# KiCad board v1b.kicad_pcb (continued)
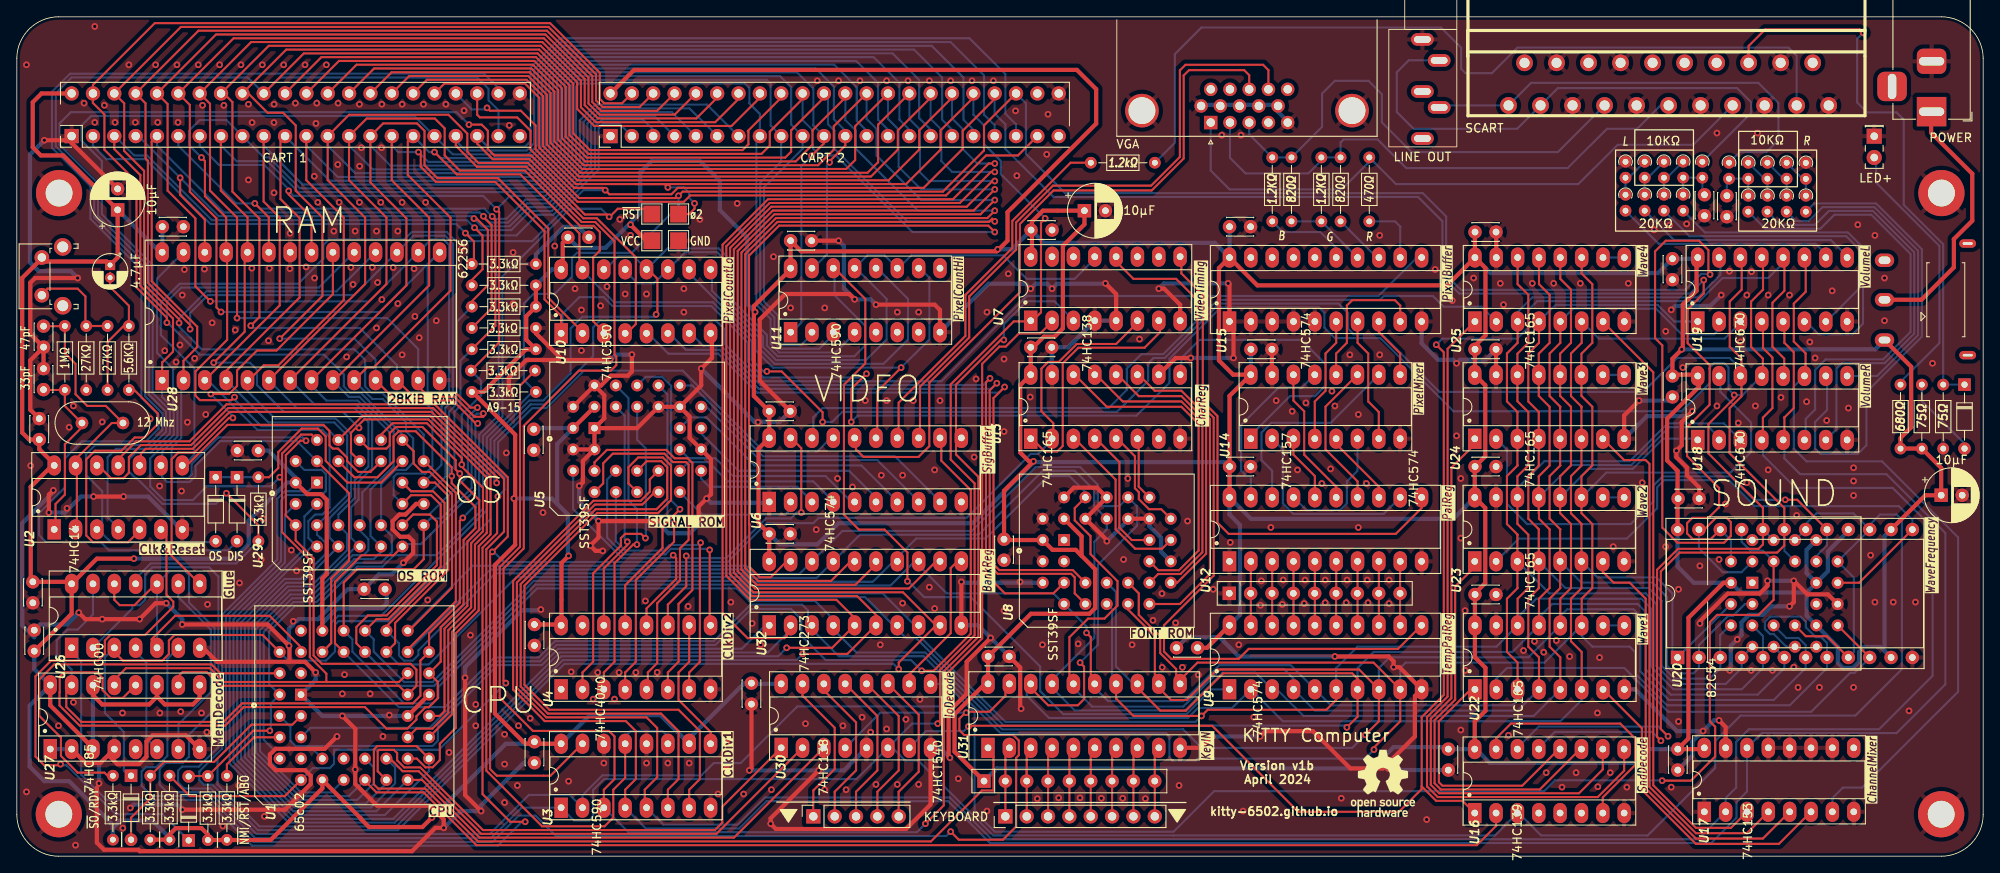
[diagram p0: board, top side]
## Routing (per net, layer and track width the routed paths; a pad name or vN(x,y) marks a point on that pad's centre or on a via; arc(x,y) is an arc through that point) (continued)
/Audio/R1: length 39.6
  Bottom w0.25: 212.26,75.66 211.73,75.66 R29.2 ; 217.81,57.21 221.38,57.21 226.25,62.08 226.25,72.13 221.06,77.32 214.89,77.32 213.23,75.66 212.12,75.66
/Audio/R2: length 50.3
  Bottom w0.25: R30.2 209.9,75.21 214,75.21 214,75.23 215.64,76.87 220.87,76.87 225.8,71.94 225.8,62.27 222.27,58.74 217.19,58.74 216.54,58.08 216.54,50.86 215.42,49.74
/Audio/R3: length 53.9
  Bottom w0.25: 212.88,49.74 212.88,52.09 214,53.22 214,57.93 215.25,59.19 222.08,59.19 225.35,62.45 225.35,71.75 220.68,76.42 216.29,76.42 214.63,74.76 208.06,74.76 R31.2
/Audio/Sout: length 88.7
  Top w0.25: 212.88,71.32 212.88,67.25 211.46,65.83 211.46,61.32 212.89,59.89 212.86,59.86 212.86,57.35
  Bottom w0.25: 212.88,57.36 211.46,55.94 211.46,48.56 212.98,47.04 221.96,47.04 231.02,37.98 231.02,19.6 219.59,8.17 217.3,8.17 216.05,6.93 U17.7
/Audio/wave 1: length 29.6
  Top w0.25: 173.53,19.88 U22.1 173.03,19.88 169.23,16.08 169.23,8.81 169.64,8.4 179.14,8.4 183.65,12.91
/Audio/wave 2: length 48.3
  Top w0.25: 186.19,12.91 181.23,7.95 169.46,7.95 168.71,8.69 168.71,16.2 171.16,18.65 171.16,32.14 173.49,34.47 U23.1
/Audio/wave 3: length 68
  Top w0.25: U24.1 173.49,49.07 170.71,46.29 170.71,18.84 168.26,16.39 168.26,8.51 169.27,7.5 185.9,7.5 188.76,10.36 188.73,10.38 188.73,12.91
/Audio/wave 4: length 85.8
  Top w0.25: 191.27,12.91 191.27,10.19 188.13,7.05 169.08,7.05 167.81,8.32 167.81,16.57 170.26,19.02 170.26,60.44 U25.1
/IO/BANK: length 17
  Top w0.25: U30.10 106.2,21.63 111.13,26.56 111.13,34.33 111.93,35.12
/IO/KeyIN 0: length 18
  Top w0.25: U30.15 93.5,19.13 97.33,15.3 97.33,10.38 94.79,7.84 94.79,7.05 94.78,7.04 94.78,5.15 94.79,5.14
/IO/KeyIN 1: length 18
  Top w0.25: U30.14 96.04,19.77 99.87,15.94 99.87,10.22 97.33,7.68 97.33,5.14
/IO/KeyIN 2: length 18
  Top w0.25: U30.13 102.41,16.7 102.41,10.22 99.87,7.68 99.87,5.14
/IO/KeyIN 3: length 18
  Top w0.25: 102.41,5.14 102.41,7.68 104.95,10.22 104.95,16.7 U30.12
/IO/KeyIN 4: length 17.9
  Top w0.25: U30.11 107.32,16.86 107.32,10.06 104.94,7.67 104.94,5.15 104.95,5.14
/IO/KeyOUT 0: length 7.8
  Top w0.25: 135.42,12.91 135.42,12.91 RN2.9 135.42,5.14
/IO/KeyOUT 1: length 7.8
  Top w0.25: 132.88,5.14 RN2.8 132.88,8.96 132.88,12.91
/IO/KeyOUT 2: length 7.8
  Top w0.25: 130.34,12.91 130.34,12.91 RN2.7 130.34,5.14
/IO/KeyOUT 3: length 7.8
  Top w0.25: 127.8,5.14 RN2.6 127.8,8.96 127.8,12.91
/IO/KeyOUT 4: length 7.8
  Top w0.25: 125.26,12.91 125.26,8.96 RN2.5 125.26,5.14
/IO/KeyOUT 5: length 7.8
  Top w0.25: 122.72,12.91 122.72,12.91 RN2.4 122.72,5.14
/IO/KeyOUT 6: length 9
  Top w0.25: 120.18,10.22 120.18,10.22 120.18,5.14 ; 120.18,10.22 120.18,8.96 RN2.3 ; 120.18,10.22 120.18,12.91
/IO/KeyOUT 7: length 7.8
  Top w0.25: 117.64,12.91 117.64,8.96 RN2.2 117.64,5.14
/Video/bit 0: length 10.1
  Bottom w0.25: U15.15 157.01,72.46 155.11,74.36 150.67,74.36 R14.1
/Video/bit 1: length 9.6
  Bottom w0.25: U15.14 R16.1 R15.1
/Video/bit 2: length 6.3
  Bottom w0.25: U15.13 161.83,71.32 R17.1
/Video/bit 3: length 7.6
  Bottom w0.25: R18.1 164,75.63 164.64,74.99 164.63,74.98 U15.12
/Video/Pa0: length 23.6
  Bottom w0.25: U14.2 150.66,48.46 150.66,42.02 151.91,40.77 162.65,40.77 U12.12
/Video/Pa1: length 9.1
  Top w0.25: U14.5 157,49.11 162.09,44.02 U12.13
/Video/Pa2: length 17.8
  Top w0.25: U12.14 159.55,44.65 155.74,48.46 155.74,53.56 U14.11
/Video/Pa3: length 16.7
  Top w0.25: U12.15 157.01,44.02 153.2,47.83 153.2,53 151.92,54.28 U14.14
/Video/Pb0: length 8.1
  Top w0.25: U12.16 154.47,45.28 151.92,47.83 U14.3
/Video/Pb1: length 15.6
  Bottom w0.25: U12.17 153.45,41.22 157.47,41.22 158.28,42.02 158.28,44.65 159.54,45.91 U14.6
/Video/Pb2: length 25.1
  Bottom w0.25: U12.18 149.39,45.92 148.12,47.19 148.12,50.47 149.28,51.64 156.35,51.64 U14.10
/Video/Pb3: length 20.6
  Bottom w0.25: U12.19 146.85,45.29 146.35,45.29 145.69,45.95 145.69,51.37 150.16,55.83 152.93,55.83 U14.13
/Video/Y0: length 79.2
  Top w0.25: v1(117.55,55.9) 116.22,54.57 116.22,34.78 116.91,34.09 125.66,34.09 127.16,32.58
  Bottom w0.25: v1(117.55,55.9) 116.88,55.23 88.1,55.23 83.47,59.87 77.53,59.87 75.1,62.29
/Video/Y1: length 78.7
  Top w0.25: 127.16,30.05 125.89,31.31 125.89,33.22 125.47,33.64 116.73,33.64 115.78,34.59 115.78,55.5 v1(116.62,56.35)
  Bottom w0.25: 77.51,62.43 79.62,60.32 83.65,60.32 88.29,55.68 115.95,55.68 v1(116.62,56.35)
/Video/Y2: length 73
  Top w0.25: 124.62,32.58 123.35,31.31 117.58,31.31 115.32,33.57 115.32,56.45 v1(115.81,56.93)
  Bottom w0.25: 80.05,62.43 81.71,60.77 83.84,60.77 88.48,56.13 115.01,56.13 v1(115.81,56.93)
A0: length 473.3
  Top w0.25: v1(95.89,51.73) 95.89,52.88 91.01,57.76 v1(89.26,57.76) ; J5.33 46.53,85.15 46.53,81.16 51.61,76.08 51.61,67.37 42.47,58.23 41.68,58.23 U28.10 ; 67.48,69.91 66.95,70.44 66.95,74.19 59.91,81.23 52.36,81.23 v1(49.7,83.88) ; v1(196.5,14.29) 195.64,15.15 195.64,33.93 197.87,36.17 209.48,36.17 210.33,37.02 210.33,41.49 203.83,48 203.83,53.37 205.24,54.78 205.24,59.23 205.27,59.25 203.84,60.68 203.84,66.08 205.26,67.5 205.26,71.32
  Bottom w0.25: J5.33 49.07,83.88 v1(49.7,83.88) 50.42,83.17 61.06,83.17 62.47,84.58 62.47,93.37 65.2,96.09 106.78,96.09 110.11,92.76 110.11,87.73 111.29,86.56 ; U28.10 40.15,56.62 42.3,54.47 43.55,54.47 46.31,51.71 46.31,50.63 47.16,49.78 47.16,46.87 46.31,46.02 45.06,46.02 43.35,44.31 43.35,39.44 U29.12 44.62,38.15 44.62,36.23 43.35,34.96 40.34,34.96 35.66,30.28 32.93,30.28 29.38,26.73 29.38,13.87 30.58,12.67 35.32,12.67 U1.10 ; U21.22 210.35,36.37 210.35,37.03 210.33,37.05 210.33,38.92 ; 205.26,57.36 205.26,57.94 203.84,59.36 197.57,59.36 193.53,55.31 169.3,55.31 162.43,62.17 159.08,62.17 158.42,62.83 158.42,64.7 157.28,65.84 143.1,65.84 136.62,59.36 135.26,59.36 134.62,58.72 134.62,56.64 130.92,52.94 98.23,52.94 97.03,51.73 v1(95.89,51.73) ; v1(196.5,14.29) 195.35,15.44 181.1,15.44 178.57,12.91 ; 67.48,69.91 67.48,69.59 71.08,65.99 82.83,65.99 87.46,61.36 87.46,59.15 88.85,57.76 v1(89.26,57.76)
A1: length 492.7
  Top w0.25: J5.31 44.62,84.66 44.61,84.66 44.61,80.53 49.07,76.08 49.07,68.01 37.77,56.71 U28.9 ; v1(101.11,57.48) 99.3,55.67 v1(99.3,51.73) ; v1(204.37,54.94) 204.37,54.55 201.3,51.48 201.3,47.98 207.79,41.49 207.79,37.15 207.27,36.62 197.69,36.62 195.19,34.12 195.19,14.22 v1(195.65,13.76) ; v1(47.79,83.88) 48.07,83.61 48.07,82.13 49.86,80.33 56.94,80.33 62.79,74.48 62.79,66.35 64.78,64.36 U10.1 64.94,62.29 ; 207.78,57.35 207.78,59.28 206.38,60.68 206.38,66.08 207.81,67.51 207.8,67.52 207.8,71.32
  Bottom w0.25: 44.69,84.58 44.62,84.65 J5.31 ; 44.69,84.58 44.61,84.66 ; 44.69,84.58 45.39,83.88 v1(47.79,83.88) 48.96,82.72 61.24,82.72 62.92,84.4 62.92,93.18 65.39,95.64 104.21,95.64 107.38,92.47 107.38,87.92 108.75,86.56 ; 64.94,62.29 64.94,64.6 66.93,66.59 69.84,66.59 70.89,65.54 82.64,65.54 87.01,61.18 87.01,58.87 88.85,57.03 100.66,57.03 v1(101.11,57.48) ; U28.9 37.61,56.62 39.5,54.73 40.75,54.73 44.85,50.64 44.85,46.44 42.08,43.67 42.08,38.16 42.29,37.95 42.29,37.95 U29.11 43.34,36.25 42.5,35.41 40.15,35.41 35.47,30.73 32.74,30.73 28.93,26.92 28.93,12.51 33.84,7.6 37.41,7.6 U1.11 ; 181.11,12.91 183.01,14.81 194.6,14.81 v1(195.65,13.76) ; 207.8,57.36 207.79,57.36 205.37,54.94 v1(204.37,54.94) 203.69,55.62 203.69,58.23 203.19,58.74 201.95,58.74 201.44,58.23 201.44,56.33 198.12,53 170.96,53 162.24,61.72 156.85,61.72 155.59,62.98 155.59,64.74 154.94,65.39 143.29,65.39 137.16,59.27 137.16,56.41 133.24,52.49 100.05,52.49 v1(99.3,51.73) ; U21.23 207.8,38.92 207.79,38.92
A2: length 378.7
  Top w0.25: 176.03,5.29 176.03,3.61 173.74,1.32 54.69,1.32 48.41,7.6 42.8,7.6 41.44,8.96 U1.13 ; 67.48,62.29 63.24,66.53 63.24,74.79 57.25,80.78 50.05,80.78 48.52,82.31 48.52,86.41 47.63,87.3 43.59,87.3 42.07,85.78 42.07,80.28 46.36,75.99 46.36,68 35.07,56.71
  Bottom w0.25: 106.21,86.56 105.03,87.73 105.03,92.12 101.96,95.19 65.57,95.19 63.37,92.99 63.37,84.21 61.43,82.27 44.46,82.27 42.07,84.66 42.07,85.78 J5.29 ; U1.13 39.5,7.15 33.65,7.15 28.48,12.32 28.48,27.1 32.56,31.18 35.29,31.18 39.97,35.86 41.23,35.86 41.84,36.46 41.84,37.77 40.8,38.8 U29.10 41.12,39.75 41.12,43.34 44.4,46.62 44.4,50.45 40.57,54.28 36.86,54.28 35.07,56.06 35.07,56.71
A3: length 250.8
  Top w0.25: U28.7 43.99,68.17 43.99,76.08 39.53,80.53 39.53,85.78 41.63,87.88 49.75,87.88 50.91,86.71 50.91,83.48 52.72,81.68 60.46,81.68 67.04,75.1 68.65,75.1 69.39,74.36 69.39,72.15 68.58,71.34 68.58,63.73 70.02,62.29
  Bottom w0.25: 103.67,86.56 102.49,87.73 102.49,92.12 99.87,94.74 65.76,94.74 63.82,92.81 63.82,84.02 61.62,81.82 42.37,81.82 39.53,84.66 39.54,84.66 J5.27 ; U28.7 35.42,53.83 40.39,53.83 42.29,51.92 42.29,46.23 40.67,44.61 40.67,42.47 39.77,41.57 39.77,37.93 U29.9 40.36,36.89 35.15,31.68 32.42,31.68 28.03,27.29 28.03,12.14 33.47,6.7 40.52,6.7 42.47,8.66 42.47,10.59 U1.14
A4: length 318.5
  Top w0.25: 72.56,62.29 73.67,63.39 73.67,71.35 69.02,76 67.41,76 60.83,82.58 54.94,82.58 53.61,83.92 53.61,86.08 51.36,88.33 39.54,88.33 36.99,85.78 36.99,80.53 41.45,76.08 41.45,68.17 U28.6 ; U30.1 83.94,5.9 83.95,5.89 83.95,4 83.07,3.12 55.47,3.12 48.01,10.58 46.11,10.58 45.26,11.42 45.26,12.29 44.88,12.67 43.08,12.67 42.94,12.52 42.94,10.13 U1.15
  Bottom w0.25: U1.15 43.98,8.7 41.53,6.25 33.28,6.25 27.58,11.95 27.58,27.48 32.24,32.13 34.97,32.13 39.3,36.46 39.3,38.4 U29.8 38.26,40.7 40.22,42.65 40.22,44.8 41.84,46.42 41.84,51.74 40.2,53.38 33.33,53.38 U28.6 ; 37.07,84.58 37,84.65 J5.25 ; 37.07,84.58 40.28,81.37 61.8,81.37 64.3,83.86 64.3,92.65 65.94,94.29 97.27,94.29 99.95,91.61 99.95,87.6 101.13,86.43 J6.25 ; 37.07,84.58 36.99,84.66
A5: length 281.4
  Top w0.25: U28.5 27.61,56.71 29.38,58.48 31.13,58.48 38.91,66.26 38.91,76.08 34.45,80.53 34.45,85.78 J5.23 ; U1.16 44.42,11.63 45.92,10.13 47.82,10.13 54.8,3.15 54.8,3.12 55.25,2.67 83.25,2.67 U30.2 ; J6.23 98.59,84.66 96.72,82.79 v1(96.72,82.65)
  Bottom w0.25: U1.16 45.01,10.59 45.01,8.66 42.16,5.8 33.09,5.8 27.13,11.76 27.13,27.66 32.05,32.58 33.96,32.58 38.26,36.88 38.26,36.9 37.23,37.94 37.23,40.3 39.77,42.84 39.77,50.33 37.96,52.13 30.72,52.13 27.45,55.4 U28.5 ; 34.53,84.58 38.19,80.92 61.99,80.92 64.75,83.68 64.75,92.46 66.13,93.84 95.06,93.84 97.22,91.68 97.22,87.8 98.59,86.43 J6.23 ; 34.53,84.58 34.46,84.65 J5.23 ; 34.53,84.58 34.45,84.66 ; v1(96.72,82.65) 96.4,82.34 96.4,71.68 94.77,70.05
A6: length 285.1
  Top w0.25: U1.17 48.22,9.09 48.83,8.48 48.83,8.45 55.07,2.22 85.34,2.22 U30.3 ; U28.4 24.91,57.82 33.66,66.57 33.66,76.01 31.37,78.29 31.37,85.24 J5.21 ; v1(94.58,83.44) 96.05,84.91 J6.21
  Bottom w0.25: J6.21 94.78,87.06 94.78,91.45 92.84,93.39 66.32,93.39 65.2,92.27 65.2,83.49 62.18,80.47 37.24,80.47 J5.21 ; 92.23,62.43 93.35,63.55 93.35,82.22 v1(94.58,83.44) ; U28.4 29.94,51.68 37.77,51.68 39.32,50.14 39.32,43.03 U29.6 35.72,38.3 36.09,37.93 36.15,37.93 36.76,37.32 36.76,36.01 33.78,33.03 31.87,33.03 26.68,27.85 26.68,11.58 32.91,5.35 42.78,5.35 U1.17
A7: length 336.6
  Top w0.25: 115.1,12.91 116.22,11.79 116.22,7.83 114.85,7.83 108.79,1.77 54.88,1.77 48.59,8.05 42.99,8.05 42.49,8.56 42.49,12.71 42.9,13.12 47.57,13.12 U1.18 ; J5.19 29.37,85.78 29.37,77.99 31.29,76.08 31.29,65.62 U28.3
  Bottom w0.25: J5.19 29.38,84.66 29.37,84.66 34.01,80.02 62.36,80.02 65.65,83.3 65.65,92.09 66.5,92.94 90.81,92.94 92.14,91.61 92.14,87.15 J6.19 93.51,84.28 88.92,79.69 88.92,66.07 90.61,64.38 90.61,61.4 91.1,60.91 93.35,60.91 94.77,62.32 94.77,62.43 ; U1.18 49.06,10.16 43.8,4.9 32.72,4.9 26.23,11.39 26.23,28.03 35.09,36.89 U29.5 34.69,37.93 34.69,39.89 35.5,40.7 36.36,40.7 37.23,41.57 37.23,49.92 36.37,50.78 28.63,50.78 25.57,53.85 25.57,53.86 22.72,56.71 U28.3
A8: length 243.1
  Top w0.25: v1(21.98,83.23) 22.39,82.82 22.39,78.63 24.91,76.1 U28.25 25.03,71.83 25.03,61.52 21.25,57.74 21.25,54.88 21.79,54.33 25.55,54.33 v1(25.91,54.69) ; U1.19 47.59,11.63 48.63,10.59 49.49,10.59 50.34,11.44 50.34,13.4 52.24,15.3 52.24,26.55 54.97,29.27 54.97,36.93 56.38,38.34 56.38,45.28 49.17,52.48 41.16,52.48 U29.27
  Bottom w0.25: v1(21.98,83.23) 20.49,84.71 20.49,86.42 21.76,87.69 24.94,87.69 29.38,83.25 30.02,83.25 33.7,79.57 62.55,79.57 66.1,83.12 66.1,91.9 66.69,92.49 89.24,92.49 89.71,92.02 89.71,87.05 J6.17 90.97,82.75 88.47,80.25 88.47,65.89 90.16,64.19 90.16,61.21 90.92,60.45 95.49,60.45 97.33,62.29 97.33,62.41 97.31,62.43 ; v1(25.91,54.69) 25.91,54.41 29.08,51.23 36.62,51.23 U29.27
A9: length 229.6
  Top w0.25: 40.53,51.22 39.77,50.45 39.77,48.09 40.8,47.05 ; 40.53,51.22 v1(40.72,51.02) ; 40.53,51.22 41.35,52.03 48.99,52.03 55.93,45.09 55.93,38.53 54.52,37.12 54.52,29.46 51.79,26.73 51.79,16.91 U1.20 ; J5.15 24.28,85.76 24.28,79.28 27.45,76.1 U28.24 27.11,71.61 27.11,62.48 v1(23.43,58.79)
  Bottom w0.25: v1(23.43,58.79) 27.75,58.79 28.58,57.96 28.58,56.13 31.79,52.92 38.82,52.92 v1(40.72,51.02) ; 99.85,62.43 97.42,60 90.73,60 89.71,61.03 89.71,64.01 88.02,65.7 88.02,85.38 J6.15 88.43,88.42 87.17,89.68 87.17,91.5 86.63,92.04 66.88,92.04 66.55,91.71 66.55,82.93 62.73,79.12 33.51,79.12 29.83,82.8 26.15,82.8 24.29,84.66 24.29,85.78 J5.15
A10: length 171.6
  Top w0.25: v1(32.35,79.25) 32.35,78.84 35.07,76.12 35.07,71.95 ; R8.1 57.4,61.2 57.4,76.76 v1(57.09,77.07) ; 43.34,49.66 43.34,50.22 44.71,51.58 48.8,51.58 52.95,47.43 v1(52.95,46.66) 52.95,46.41 55.48,43.89 55.48,38.71 54.07,37.3 54.07,29.64 51.34,26.92 51.34,17.09 49.46,15.21 47.55,15.21 U1.21
  Bottom w0.25: v1(52.95,46.66) 52.95,52.61 55.25,54.91 55.25,56.65 R8.1 ; J5.13 21.76,84.66 21.75,84.66 24.06,82.35 29.47,82.35 32.35,79.46 v1(32.35,79.25) 32.94,78.67 55.49,78.67 v1(57.09,77.07) 58.68,78.67 62.92,78.67 67,82.74 67,87.67 68.87,89.55 82.13,89.55 J6.13
A11: length 168.4
  Top w0.25: v1(56.58,76.22) 56.95,75.84 56.95,63.19 R9.1 ; U1.22 50.33,16.71 50.89,17.28 50.89,27.11 53.62,29.83 53.62,37.49 55.03,38.9 55.03,42.43 52.71,44.75 v1(52.71,45.58) 52.23,46.06 52.23,47.17 48.27,51.14 45.11,51.14 44.38,50.4 44.38,48.96 43.98,48.56 41.84,48.56 U29.25 ; v1(28.33,77.77) 29.99,76.1 U28.23
  Bottom w0.25: J6.11 80.04,89.09 69.06,89.09 67.45,87.48 67.45,82.56 63.11,78.22 60.55,78.22 58.27,75.94 56.85,75.94 v1(56.58,76.22) 55.65,77.14 28.96,77.14 v1(28.33,77.77) 26.1,77.77 19.22,84.65 J5.11 ; v1(52.71,45.58) 52.08,46.21 52.08,52.95 52.79,53.67 52.79,59.03 R9.1
A12: length 231.3
  Top w0.25: R10.1 56.5,65.28 56.5,75.18 55.53,76.15 v1(55.53,76.24) ; U28.2 19.83,59.02 21.47,60.65 21.47,63.08 16.05,68.5 16.05,85.15 J5.9 ; U27.10 19.22,21.42 19.75,21.95 22.57,21.95 24.22,20.3 45.46,20.3 U1.25 47.55,20.29 47.55,22.22 46.85,22.92 36.3,22.92 35.32,23.9 35.32,35.48 33.18,37.62 U29.4 32.01,40.6 32.01,47.78 33.73,49.5 v1(34.42,49.5)
  Bottom w0.25: v1(34.42,49.5) 34.02,49.9 24,49.9 20.81,46.72 20.81,45.47 20.38,45.03 18.68,45.03 18.42,45.29 18.42,48.68 19.57,49.82 19.57,55.6 19.15,56.02 U28.2 ; J5.9 16.68,84.65 24.64,76.69 55.08,76.69 56.28,75.49 58.46,75.49 60.73,77.77 63.29,77.77 67.9,82.37 67.9,87.3 69.25,88.65 77.95,88.65 J6.9
A13: length 238.4
  Top w0.25: v1(19.44,80.82) 19.44,78.79 22.37,75.85 U28.26 ; v1(54.4,75.97) 54.7,75.97 56.05,74.61 56.05,68.01 53.51,65.47 ; 13.51,20.38 13.83,20.07 12.62,18.86 11.14,18.86 10.21,19.79 10.21,21.23 9.53,21.91 5.63,21.91 5.11,21.38 5.11,19.52 5.09,19.49 5.09,17.95 7.49,15.55 24.78,15.55 27,17.76 41.43,17.76 43.99,15.21 46.48,15.21 47.55,16.28 47.55,16.67 48.63,17.75 49.02,17.75 50.09,18.82 50.09,20.75 U1.26 50.44,23.17 50.44,27.29 53.17,30.02 53.17,37.68 54.58,39.09 54.58,41.61 51.75,44.43 v1(51.75,45.29) 51.75,46.34 47.47,50.63 45.45,50.63 44.83,50 44.83,47.05 42.92,45.15 40.17,45.15 38.26,47.05
  Bottom w0.25: R11.1 52.34,63.66 52.34,53.85 51.44,52.95 51.44,45.6 v1(51.75,45.29) ; J5.7 14.47,85.79 24.01,76.24 54.13,76.24 v1(54.4,75.97) 55.33,75.04 58.64,75.04 60.92,77.32 63.48,77.32 68.35,82.19 68.35,87.11 69.43,88.19 75.86,88.19 J6.7
A14: length 222.2
  Top w0.25: 53.51,68.01 55.42,69.91 55.42,73.92 v1(54.47,74.87) ; U28.1 17.29,58.81 18.59,60.11 18.59,64.05 14.7,67.94 14.7,81.14 11.6,84.23 J5.5 ; 10.97,20.38 12.99,22.4 22.99,22.4 24.63,20.75 37,20.75 ; 37,20.75 45.48,20.75 U1.27 ; 37,20.75 36.83,20.75 36.83,21.75 34.87,23.71 34.87,35.29 31.56,38.6 31.56,47.96 33.83,50.23 35.09,50.23 U29.29
  Bottom w0.25: J5.5 11.67,85.79 13.97,83.48 15.5,83.48 23.22,75.77 53.58,75.77 54.75,74.59 58.83,74.59 61.11,76.87 63.67,76.87 68.8,82 68.8,86.92 69.62,87.75 74.54,87.75 75.73,86.56 ; v1(31.29,45.15) 30.21,44.07 22.59,44.07 20.94,42.42 17.5,42.42 15.88,44.05 15.88,47.41 18.67,50.2 18.67,53.32 17.29,54.7 U28.1
A15: length 202.8
  Top w0.25: v1(53.39,74.23) 54.4,73.22 54.4,70.8 R13.1 ; 5.89,20.38 5.89,17.79 7.67,16 24.6,16 26.81,18.21 47.12,18.21 48.02,19.11 48.02,23.29 U1.28 49.06,26.54 52.72,30.2 52.72,39.95 v1(53.07,40.31)
  Bottom w0.25: R13.1 55.87,70.55 57.34,69.08 57.34,52.56 55.03,50.24 55.03,42.26 v1(53.07,40.31) ; J6.3 71.68,87.3 69.81,87.3 69.25,86.74 69.25,81.81 63.85,76.42 61.92,76.42 59.47,73.96 53.66,73.96 v1(53.39,74.23) 52.3,75.31 23.03,75.31 15.32,83.03 10.68,83.03 9.05,84.66 9.06,84.66 J5.3 ; 8.93,32.45 U26.13 9.06,28.81 7.25,27 6.05,27 4.75,25.7 4.75,24 6.52,22.23 6.52,20.38
AudioMux0: length 294.5
  Top w0.25: 210.34,49.74 210.34,52.26 210.36,52.28 ; 210.32,52.25 210.36,52.28 ; 210.36,52.28 211.46,53.38 211.46,60.05 210.34,61.17 210.34,63.7 ; U5.12 75.33,44.88 75.33,43.42 74.25,42.34 68.61,42.34 59.06,32.79 59.06,19.85 62.82,16.09 72.47,16.09 73.67,14.91 73.67,9.19 72.39,7.92 U3.4
  Bottom w0.25: 210.34,49.74 210.34,47.4 212.22,45.51 222.49,45.51 229.49,38.51 229.49,20.47 223.69,14.67 207.65,14.67 U17.14 205.89,7.71 204.64,6.46 204.64,4.59 201.62,1.57 115.82,1.57 110.84,6.55 89.21,6.55 85.97,3.31 74.87,3.31 U3.4
AudioMux1: length 290.6
  Top w0.25: U5.11 75.78,43.38 75.78,43.23 74.44,41.89 68.8,41.89 59.51,32.61 59.51,20.04 63.01,16.55 74.94,16.55 76.2,15.28 76.2,9.4 74.72,7.92 74.72,5.99 U3.5 ; 207.78,49.73 207.78,52.25 208.92,53.38 208.92,59.41 207.8,60.53 207.8,63.7
  Bottom w0.25: 207.8,49.74 207.8,47.76 211.68,43.88 223.23,43.88 227.97,39.13 227.97,21.48 221.6,15.12 206.11,15.12 204.6,13.61 204.6,8.17 203.35,6.93 U17.2 200.08,2.02 116.01,2.02 111.03,7 89.02,7 85.78,3.75 76.96,3.75 U3.5
B0: length 294.7
  Top w0.25: J6.34 111.29,90.37 107.38,86.47 107.38,84.17 103.73,80.52 66.71,80.52 62.63,84.6 62.63,90.53 60.67,92.49 48.79,92.49 47.15,90.86 ; v1(116.38,82.52) 115.65,82.52 111.4,78.27 89.41,78.27 83.98,72.85 83.98,28.96 86.96,25.98 91.35,25.98 91.61,26.24 91.61,27.5
  Bottom w0.25: v1(116.38,82.52) 114.3,82.52 112.56,84.26 112.56,86.62 111.29,87.89 J6.34 ; 92.08,27.03 92.08,26.97 89.38,24.27 64.61,24.27 59.14,18.8 59.14,18.8 44.79,4.45 32.53,4.45 25.78,11.2 25.78,28.22 34.22,36.66 34.22,40.47 U29.3
B1: length 309
  Top w0.25: J6.32 108.75,90.37 104.84,86.47 104.84,84.17 101.64,80.97 66.89,80.97 63.08,84.79 63.08,90.72 60.85,92.94 46.7,92.94 44.61,90.86 ; v1(116.38,81.52) 115.92,81.52 112.22,77.82 89.59,77.82 84.43,72.66 84.43,33.4 87.29,30.54 97.54,30.54 99.7,28.38 U32.5 97.02,24.83 v1(91.61,24.83)
  Bottom w0.25: U29.2 31.9,40.69 31.9,34.97 25.33,28.41 25.33,11.02 32.35,4 44.98,4 59.32,18.34 59.32,18.34 64.8,23.82 90.6,23.82 v1(91.61,24.83) ; v1(116.38,81.52) 111.3,81.52 110.02,82.8 110.02,86.56 108.75,87.83 J6.32
B2: length 333.6
  Top w0.25: J6.30 102.49,87.15 102.49,82.67 101.24,81.42 67.08,81.42 63.53,84.97 63.53,90.9 61.04,93.39 44.61,93.39 J5.30 ; v1(116.38,80.44) 116.11,80.44 113.04,77.37 89.78,77.37 84.88,72.48 84.88,33.58 87.47,30.99 100,30.99 102.86,28.13 98.84,24.1 v1(93.52,24.1)
  Bottom w0.25: v1(93.52,24.1) 92.78,23.37 64.98,23.37 59.51,17.89 59.51,17.89 45.17,3.55 28.88,3.55 23.88,8.55 23.88,11.62 24.88,12.62 24.88,28.59 31.45,35.16 31.45,42.4 32.08,43.03 36.31,43.03 36.78,43.49 36.78,45.53 36.29,46.02 34.22,46.02 33.18,47.05 ; J6.30 106.21,87.83 107.48,86.56 107.48,81.48 108.52,80.44 v1(116.38,80.44)
B3: length 345
  Top w0.25: J5.28 42.52,93.84 61.23,93.84 63.98,91.09 63.98,85.16 67.27,81.87 98.7,81.87 99.76,82.94 99.76,86.96 J6.28 ; v1(116.38,79.44) 113.86,76.92 89.96,76.92 85.33,72.29 85.33,33.77 87.66,31.44 105.45,31.44 109.39,27.5 104.95,23.06 v1(104.95,22.29)
  Bottom w0.25: v1(116.38,79.44) 107.62,79.44 104.94,82.12 104.94,86.56 103.67,87.83 J6.28 ; U29.1 34.69,43.48 31.89,43.48 31,42.58 31,35.35 24.43,28.78 24.43,12.81 21.71,10.09 21.71,9.05 22.25,8.52 23.28,8.52 28.69,3.1 45.35,3.1 59.69,17.44 65.17,22.92 104.32,22.92 v1(104.95,22.29)
B4: length 200.4
  Top w0.25: 36.99,90.86 40.43,94.29 61.41,94.29 64.43,91.28 64.43,85.34 67.45,82.32 95.36,82.32 96.53,83.48 96.54,83.48 97.22,84.17 97.22,86.96 J6.26 ; 109.39,35.12 106.16,31.89 87.85,31.89 85.78,33.96 85.78,72.1 90.15,76.47 114.68,76.47 v1(116.38,78.17)
  Bottom w0.25: v1(116.38,78.17) 107.62,78.17 102.3,83.48 102.3,86.66 101.13,87.83 J6.26
B5: length 193.4
  Top w0.25: v1(116.38,76.9) 115.5,76.02 90.34,76.02 86.23,71.92 86.23,34.14 88.03,32.34 99.8,32.34 101.77,34.31 101.77,35.12 ; J6.24 98.59,90.37 94.68,86.47 94.68,84.75 92.7,82.77 67.64,82.77 64.88,85.53 64.88,91.46 61.6,94.74 38.34,94.74 J5.24
  Bottom w0.25: J6.24 98.59,87.69 99.86,86.42 99.86,84.26 107.22,76.9 v1(116.38,76.9)
B6: length 192.2
  Top w0.25: J6.22 96.05,90.37 92.14,86.47 92.14,83.92 91.44,83.22 67.83,83.22 65.33,85.72 65.33,91.65 61.78,95.19 36.25,95.19 J5.22 ; v1(116.38,75.63) 116.06,75.94 115.69,75.57 90.52,75.57 86.68,71.73 86.68,34.33 88.22,32.79 96.9,32.79 99.23,35.12
  Bottom w0.25: v1(116.38,75.63) 105.95,75.63 97.32,84.26 97.32,86.42 96.53,87.2 96.53,90.38 J6.22
B7: length 326.4
  Top w0.25: v1(116.38,74.36) 115.62,75.12 90.71,75.12 87.13,71.54 87.13,39.6 87.23,39.5 87.17,39.43 87.17,34.48 88.41,33.24 89.73,33.24 91.61,35.12 ; J6.20 93.51,90.22 89.6,86.32 89.6,84.66 88.62,83.67 68.01,83.67 65.78,85.9 65.78,91.84 61.97,95.64 34.16,95.64 J5.20
  Bottom w0.25: D5.2 23.55,37.41 11.21,37.41 9.69,38.94 10.16,39.41 10.16,43.48 8.26,45.39 8.26,47.92 9.31,48.98 15.54,48.98 17.32,50.76 17.32,52.76 15.27,54.81 15.27,70.06 9.22,76.11 9.22,79.99 4.63,84.57 4.63,90.88 6.52,92.77 27.48,92.77 J5.20 31.29,92.77 54.78,92.77 56.14,91.42 56.14,90.04 57.32,88.85 J5.41 ; J6.20 93.51,87.69 94.75,86.45 94.75,84.29 95.56,83.48 97.46,83.48 106.59,74.36 v1(116.38,74.36)
BusDriver: length 264.7
  Top w0.25: 75.1,69.91 76.23,68.79 76.23,64.69 v1(76.08,64.54) ; v1(105.99,32.75) 105.99,36.18 103.26,38.91 100.21,38.91 98.43,40.69 98.43,56.17 100.97,58.71 100.97,66.39 97.31,70.05 ; U1.40 29.25,26.35 18.76,26.35 18.1,25.69 18.1,24.08 17.32,23.3 12.63,23.3 11.6,24.33
  Bottom w0.25: v1(105.99,32.75) 106.09,32.75 107.97,30.86 113.52,30.86 121.78,22.6 121.78,19.66 124.53,16.92 139.18,16.92 142.14,19.89 U9.1 ; 13.34,9.59 12.73,10.2 12.73,14.81 10.48,17.06 10.48,23.7 U26.3 ; v1(76.08,64.54) 75.8,64.27 67.3,64.27 65.9,62.87 65.9,57.53 62.65,54.28 60.98,54.28 56.38,49.68 56.38,40.16 44.22,28 38.27,28 37.86,27.59 37.86,24.37 36.79,23.29 32.31,23.29 U1.40 ; 70.02,69.91 71.55,71.44 73.41,71.44 74.94,69.91 77.43,72.41 83.53,72.41 84.82,71.12 84.82,66.54 89.26,62.11 89.26,60.84 90.54,59.56 99.67,59.56 100.97,60.86 100.97,63.17 97.31,66.83 97.31,70.05
D0: length 537.5
  Top w0.25: U22.11 186.22,30.68 187.49,31.95 187.49,39.57 186.19,40.86 U23.11 186.19,45.26 187.49,46.56 187.49,53.54 186.19,54.83 U24.11 186.19,59.86 187.49,61.16 187.49,68.14 186.22,69.42 U25.11 ; U29.13 44.85,35.86 41.02,35.86 37.86,32.7 37.86,25.37 U1.36 ; v1(54.85,51.56) 54.61,51.56 51.89,54.28 45.12,54.28 U28.11 ; v1(31.29,61.66) 36.37,66.74 36.37,76.1 33.19,79.27 33.19,87.06 31.69,88.56 29.86,88.56 27.55,90.87 J5.18 32.07,96.09 62.16,96.09 66.23,92.02 66.23,86.09 68.2,84.12 86.36,84.12 87.06,84.82 87.06,86.27 87,86.34 87,86.4 90.97,90.37 J6.18 ; v1(161.5,12.7) 161.5,12.95 164.63,16.08 U9.9 161.45,23.06 140.49,23.06 138.58,21.15 138.58,20.53 137.96,20.53 137.96,22.29 136.06,24.19 136.06,26.2 133.51,28.75 133.51,31.31 132.24,32.58
  Bottom w0.25: U29.13 46.18,37.19 48.09,37.19 54.58,43.67 54.58,51.29 v1(54.85,51.56) ; U23.11 189.15,45.7 203.93,45.7 206.38,48.16 206.38,51.67 202.72,55.33 202.72,57.36 ; U21.9 210.6,24.95 209.09,26.46 208.63,26.46 208.03,27.07 208.03,27.92 208.63,28.53 212.29,28.53 212.9,27.93 212.9,27.27 214.07,26.1 214.73,26.1 215.41,25.41 U20.8 215.41,22.41 210.98,17.98 196.38,17.98 192.57,21.79 192.57,24.33 191.93,24.97 187.49,24.97 186.22,26.23 U22.11 181.78,23.06 165.26,23.06 164.63,22.42 U9.9 ; U28.11 42.69,59.14 40.18,61.66 v1(31.29,61.66) ; v1(161.5,12.7) 160.43,11.63 140.51,11.63 140.26,11.38 137.5,11.38 137.16,11.72 137.16,14.27 136.76,14.67 117.06,14.67 107.91,23.82 97.83,23.82 94.15,27.5 94.15,29.28 93.46,29.97 87.29,29.97 82.95,25.62 64.05,25.62 62.1,23.67 56.85,23.67 50.94,17.76 45.46,17.76 U1.36
D1: length 505.1
  Top w0.25: v1(27.84,63.2) 28.87,64.23 28.87,75.96 25.66,79.17 25.66,89.84 24.63,90.87 J5.16 29.98,96.54 62.34,96.54 66.68,92.21 66.68,89.04 68.72,86.99 85.05,86.99 88.43,90.37 J6.16 ; U29.14 48.42,35.38 47.25,34.21 40.52,34.21 38.9,32.59 U1.35 ; U22.12 183.68,30.68 184.95,31.95 184.95,39.57 183.65,40.86 U23.12 183.65,45.26 184.95,46.56 184.95,53.54 183.65,54.83 U24.12 183.65,59.86 184.95,61.16 184.95,67.51 183.68,68.78 U25.12 ; v1(160.47,14.46) 162.09,16.08 U9.8 159.73,22.24 142.85,22.24 139.23,18.61 137.34,18.61 135.42,20.53 135.42,26.2 132.24,29.38 U8.11 ; U28.12 47.21,54.73 52.08,54.73 54.46,52.35 55.48,52.35 55.52,52.39 v1(55.52,52.74)